# Altium PCB paste_3.3.PcbDoc (part 2 of 3)
Units mm, origin at the board's own origin, x right, y up, seen from the top; angles counter-clockwise.
Board outline 154.05 x 173.86 mm, 2 copper layers (Top Layer, Bottom Layer); 242 components, 0 nets, 1192 pads, 810 vias.
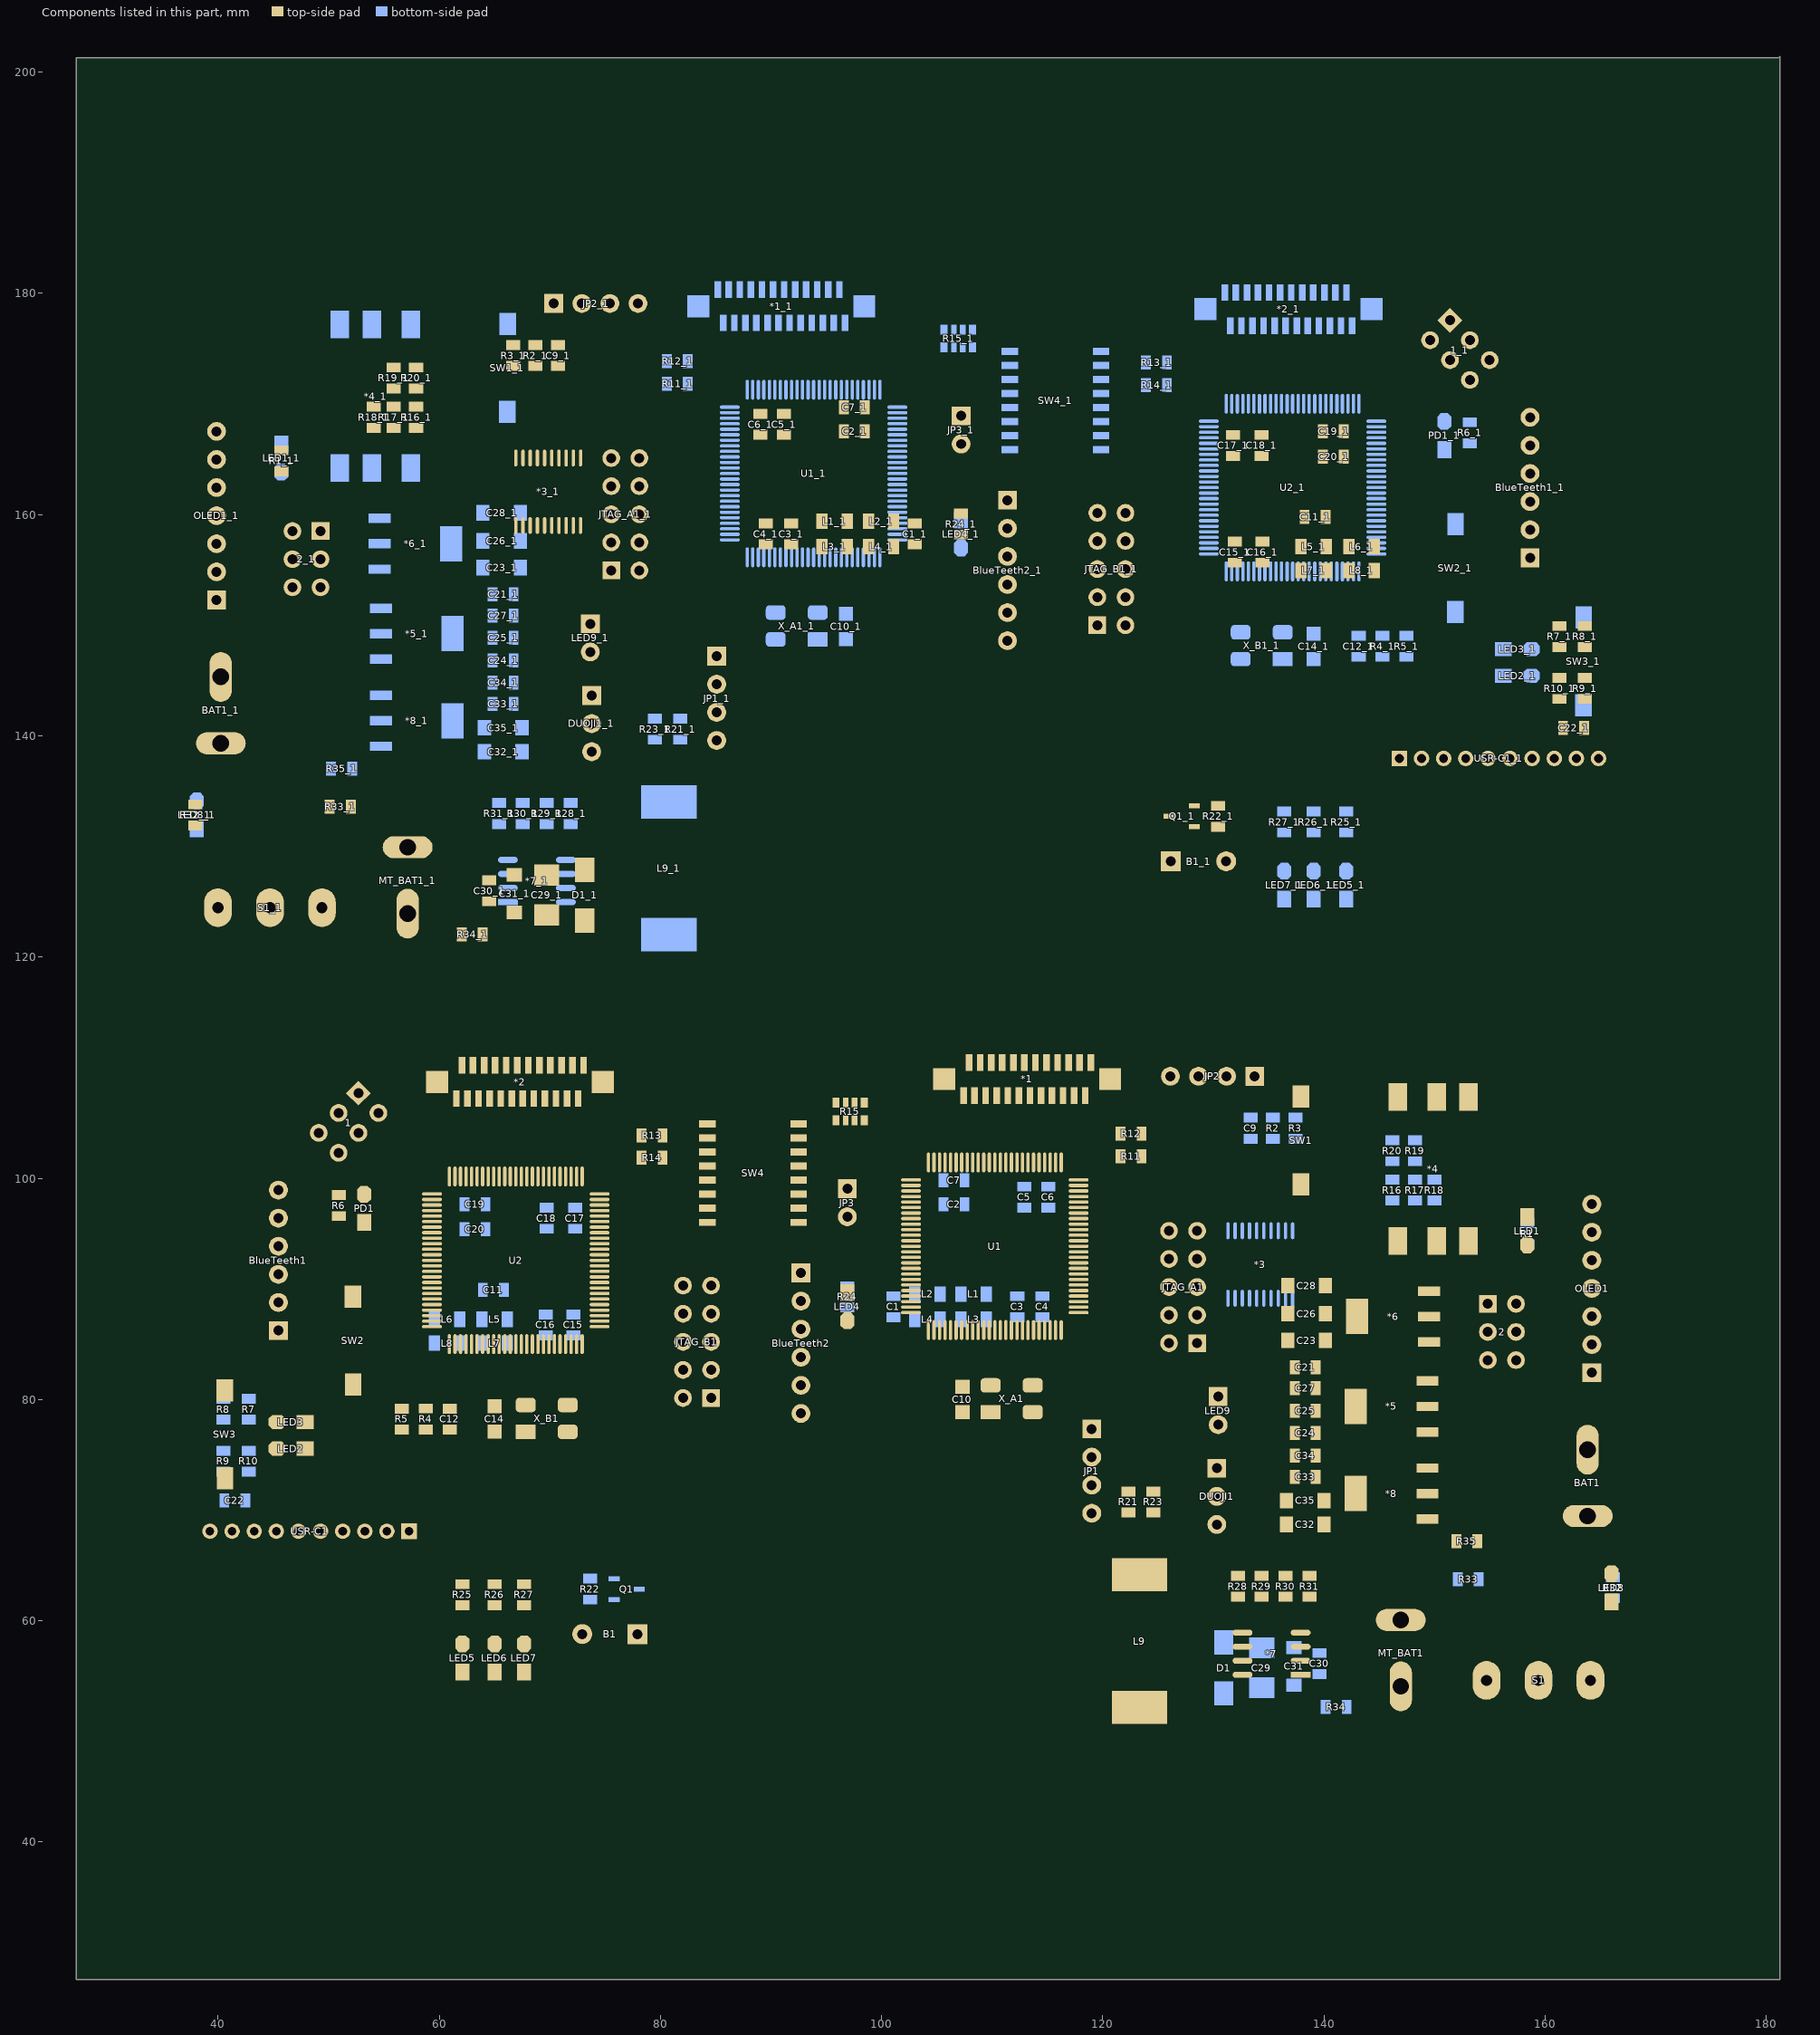
[diagram p2: the components of this part, seen from the top]

## Via types
v1: diameter 0.6, hole 0.3, Top Layer to Bottom Layer, tented both sides, 470 vias
v2: diameter 0.5, hole 0.3, Top Layer to Bottom Layer, tented both sides, 330 vias
v3: diameter 4.5, hole 4, Top Layer to Bottom Layer, tented both sides, 6 vias
v4: diameter 1.5, hole 1.3, Top Layer to Bottom Layer, tented both sides, 4 vias

## Nets (pads, with @x,y where several pads share a name; then routed paths per layer and width w, separated by ;. In a path a pad name is that pad's centre, name@x,y a point inside that pad or via, vN(x,y) a via of type N, cw(c..) or ccw(c..) an arc to the next point about the centre after c; other vN are vias at no path point) (continued)
copper on no net: | length 6708.3
  Top Layer w0.254: v2(38.735,81.28) 40.171,81.28 ; 39.878,157.353 44.45,161.925 v2(51.943,161.925) ; v2(51.435,166.751) 51.502,166.751 52.584,167.833 54.102,167.833 ; 52.197,89.281 52.197,85.786 58.801,79.182 60.96,79.182 62.55,79.182 v2(62.738,78.994) ; 52.217,81.348 54.383,79.182 56.642,79.182 ; v2(53.975,174.371) 55.057,173.289 55.88,173.289 ; v2(55.626,166.116) 55.88,166.37 55.88,167.833 ; v2(55.88,97.155) 56.808,98.083 59.354,98.083 ; v2(56.261,86.106) 56.261,86.868 56.476,87.083 59.354,87.083 63.207,87.083 v2(64.77,88.646) ; v2(56.642,175.133) 57.912,173.863 57.912,173.289 ; v2(56.769,98.806) 56.992,98.583 59.354,98.583 ; v2(56.896,96.52) 56.896,97.028 57.451,97.583 59.354,97.583 ; 57.912,167.833 59.055,166.69 v2(59.055,166.116) ; 62.103,63.307 62.103,66.548 v2(66.548,70.993) ; v2(62.103,167.767) 62.745,167.125 62.745,166.49 66.033,163.202 74.726,163.202 75.131,163.607 75.999,163.607 76.284,163.322 77.386,163.322 77.671,163.607 78.539,163.607 78.57,163.576 81.915,163.576 82.423,163.068 v2(82.55,163.068) ; v2(62.738,164.846) 66.802,160.782 73.322,160.782 75.131,158.973 76.993,158.973 v2(77.089,158.877) ; v2(63.119,168.656) 63.119,166.878 66.421,163.576 74.571,163.576 74.976,163.981 75.927,163.981 76.03,164.084 77.64,164.084 77.671,164.053 83.089,164.053 v2(83.566,163.576) ; v2(63.373,176.022) 65.974,173.421 66.675,173.421 ; v2(63.5,75.057) 63.516,75.041 75.422,75.041 77.597,77.216 77.597,86.79 77.304,87.083 ; v2(64.135,81.534) 64.135,81.602 64.929,82.396 64.929,85.007 ; 64.56,107.212 64.56,105.708 67.429,102.839 67.429,100.158 ; 65.024,63.307 65.024,66.802 v2(68.834,70.612) ; v2(65.151,81.915) 65.659,81.915 66.429,82.685 66.429,85.007 ; v2(65.405,80.899) 65.532,80.899 67.429,82.796 67.429,85.007 ; v2(65.426,83.551) 65.429,83.554 65.429,85.007 ; v2(65.532,82.931) 65.929,83.328 65.929,85.007 ; 66.56,107.212 66.575,107.197 66.575,105.918 69.458,103.035 69.458,100.187 69.429,100.158 ; 67.579,159.004 67.579,157.592 72.898,152.273 74.93,152.273 85.09,142.113 ; 67.691,57.912 67.691,61.407 ; 67.691,63.307 67.691,67.691 v2(70.739,70.739) ; v2(67.818,80.645) 67.818,81.534 69.929,83.645 69.929,85.007 ; v2(68.199,169.418) 68.199,170.881 70.739,173.421 70.607,173.421 68.707,175.321 ; 68.229,165.104 68.229,167.416 71.628,170.815 v2(85.09,170.815) ; 69.529,165.104 69.529,166.303 71.882,168.656 v2(84.582,168.656) ; v2(69.596,80.518) 69.596,82.042 70.429,82.875 70.429,85.007 ; v2(70.739,80.645) 70.739,82.042 70.929,82.232 70.929,85.007 ; 71.623,79.504 72.011,79.504 72.929,80.422 72.929,85.007 ; 72.938,58.801 74.168,58.801 v2(78.994,63.627) ; 74.504,87.083 77.304,87.083 ; 74.504,90.083 77.256,90.083 80.899,93.726 v2(99.441,93.726) ; 74.504,90.583 76.994,90.583 80.772,94.361 98.171,94.361 101.163,97.353 102.661,97.353 ; 78.105,154.94 78.105,153.416 79.375,152.146 92.456,152.146 v2(94.361,154.051) ; 78.105,156.591 81.915,152.781 v2(91.948,152.781) ; 78.105,160.02 79.756,158.369 79.756,156.083 82.55,153.289 92.456,153.289 v2(92.583,153.416) ; 78.105,162.56 79.248,162.56 81.153,160.655 81.153,155.829 83.301,153.681 91.451,153.681 92.456,154.686 95.123,154.686 95.377,154.432 v2(95.504,154.432) ; v2(80.01,166.878) 83.439,166.878 v2(84.074,166.243) ; v2(81.788,158.877) 81.788,160.274 83.217,161.703 v2(83.439,161.703) ; 82.042,90.297 80.518,90.297 77.304,87.083 ; v2(82.931,157.353) 82.931,160.147 v2(83.947,161.163) ; v2(84.455,154.178) 90.805,154.178 v2(91.059,154.432) ; v2(86.614,174.879) 86.614,174.244 88.773,172.085 94.323,172.085 95.105,172.867 95.105,172.956 v2(95.377,173.228) ; v2(88.519,173.228) 89.27,172.477 93.737,172.477 94.712,173.452 95.504,174.244 v2(96.012,174.244) ; 92.497,101.092 94.451,101.092 ; 92.497,102.362 v2(94.488,102.362) 94.921,102.362 97.555,104.996 ; 92.497,103.632 v2(94.742,103.632) 95.386,103.632 96.755,105.001 ; 92.497,104.902 v2(94.361,104.902) 95.532,104.902 ; 96.901,87.122 97.536,87.122 v2(98.679,85.979) ; 96.901,99.06 97.694,99.853 102.661,99.853 ; 96.901,157.099 98.806,157.099 99.441,157.099 v2(101.346,155.194) ; 96.901,159.385 98.806,159.385 98.806,159.131 v2(99.568,158.369) ; 98.435,105.076 94.451,101.092 ; v2(98.552,173.228) 100.076,174.752 v2(109.728,174.752) ; v2(99.695,88.011) 100.037,88.353 102.661,88.353 ; v2(100.076,97.663) 100.266,97.853 102.661,97.853 ; v2(100.203,98.933) 100.623,99.353 102.661,99.353 ; v2(100.203,173.482) v2(109.347,173.482) ; v2(100.711,172.847) 108.966,172.847 v2(109.601,172.212) ; 101.092,157.099 103.886,157.099 104.394,157.607 v2(104.394,157.861) ; 102.661,87.853 102.661,85.426 v2(102.743,85.344) ; 102.661,89.353 103.687,89.353 v2(104.521,88.519) ; v2(103.378,102.997) 104.267,102.997 104.736,102.528 104.736,101.428 ; v2(103.886,103.632) 104.473,103.632 105.236,102.869 105.236,101.428 ; v2(103.886,168.783) 105.41,167.259 105.41,161.859 107.188,160.081 ; v2(104.013,167.513) 104.648,166.878 v2(104.648,163.576) ; 104.236,101.428 103.429,102.235 97.917,102.235 96.774,101.092 94.451,101.092 ; v2(105.41,155.829) 105.41,156.403 107.188,158.181 ; v2(105.537,103.378) 105.736,103.179 105.736,101.428 ; v2(108.077,104.394) 108.077,102.899 108.712,102.264 108.712,101.452 ; 108.236,86.277 108.236,85.466 108.077,85.307 108.077,83.693 108.839,82.931 v2(112.141,82.931) ; v2(108.585,84.582) 108.736,84.733 108.736,86.277 ; v2(108.712,103.378) 109.236,102.854 109.236,101.428 ; 109.22,86.261 109.22,84.006 109.66,83.566 v2(111.506,83.566) ; v2(109.728,84.201) 109.728,86.269 ; 112.236,86.277 112.236,85.376 v2(113.03,84.582) ; v2(115.57,103.378) 115.57,103.251 116.407,104.088 116.407,105.335 ; 116.236,101.428 118.536,101.428 v2(118.999,100.965) ; 116.407,107.466 116.407,105.335 ; 117.407,107.466 117.407,105.859 ; v2(117.475,105.029) 117.407,105.097 117.407,105.859 ; 117.811,88.353 123.151,88.353 123.825,89.027 v2(127,89.027) ; 117.811,88.853 120.984,88.853 123.794,91.663 128.958,91.663 130.767,93.472 144.526,93.472 145.542,92.456 151.178,92.456 153.06,94.338 153.06,96.495 v2(152.654,96.901) ; 117.811,89.353 120.595,89.353 124.999,93.757 130.523,93.757 130.612,93.846 144.681,93.846 144.77,93.757 144.807,93.757 145.723,92.841 147.597,92.841 149.094,94.338 150.18,94.338 148.463,96.055 v2(148.463,96.266) ; 117.811,89.853 120.206,89.853 124.556,94.203 130.44,94.203 130.457,94.22 144.836,94.22 144.853,94.203 146.66,94.203 146.66,94.338 145.034,95.964 v2(145.034,96.266) ; 117.811,91.853 v2(120.65,91.853) ; 117.811,93.353 119.499,93.353 119.634,93.218 v2(121.539,93.218) ; 117.811,93.853 120.396,93.853 v2(120.523,93.726) ; 117.811,94.353 119.499,94.353 131.191,106.045 131.191,109.22 ; 117.811,94.853 119.364,94.853 128.651,104.14 128.651,109.22 ; 117.811,95.853 119.475,95.853 v2(120.015,96.393) ; 117.851,91.313 v2(120.142,91.313) ; 117.858,98.806 v2(119.507,98.806) ; v2(119.634,84.328) 119.761,84.328 130.302,73.787 ; v2(121.158,87.503) 118.491,84.836 118.491,83.058 122.301,79.248 122.301,71.689 124.587,71.689 ; 121.605,101.981 119.761,101.981 116.407,105.335 ; 121.605,104.013 119.253,104.013 117.407,105.859 ; 122.047,149.987 130.742,149.987 132.012,151.257 138.43,151.257 v2(138.938,151.765) ; 122.047,152.527 122.301,152.273 139.133,152.273 139.954,151.452 v2(139.954,151.384) ; 122.047,155.067 124.467,152.647 138.55,152.647 138.557,152.654 v2(138.557,152.781) ; 122.047,157.607 126.238,153.416 138.684,153.416 138.669,153.401 v2(138.663,153.401) ; v2(122.301,89.027) 124.563,91.289 129.113,91.289 130.915,93.091 144.378,93.091 145.387,92.082 152.139,92.082 v2(152.146,92.075) ; v2(124.079,97.028) 131.318,97.028 135.89,101.6 158.496,101.6 164.211,95.885 164.211,95.123 ; v2(125.095,133.477) 125.857,132.715 ; 125.984,95.25 127.381,96.647 135.128,96.647 137.922,99.441 137.922,98.425 v2(141.351,94.996) ; 128.27,131.765 130.429,131.765 ; 130.429,133.665 131.506,133.665 139.099,141.258 139.099,150.207 138.684,150.622 v2(138.684,150.749) ; 132.63,58.928 134.425,58.928 136.525,61.028 136.525,62.169 138.684,62.169 ; v2(133.35,140.589) v2(133.35,150.495) ; v2(134.493,150.368) 134.493,141.224 v2(135.255,140.462) ; v2(135.89,99.568) 137.795,99.568 ; v2(136.271,150.495) 136.271,142.113 v2(137.541,140.843) ; 137.902,107.374 139.104,106.172 v2(140.716,106.172) ; 138.242,159.766 138.242,159.573 v2(139.319,158.496) ; v2(140.589,144.907) 141.351,145.669 v2(141.351,148.844) ; v2(140.97,98.806) 141.224,98.806 142.875,100.457 158.496,100.457 163.114,95.839 163.114,94.669 164.211,93.572 164.211,92.583 ; v2(141.986,97.917) 144.082,100.013 157.543,100.013 162.433,95.123 162.433,91.821 164.211,90.043 ; 144.526,154.94 146.812,154.94 v2(147.828,155.956) ; 146.66,107.338 146.66,106.07 v2(147.447,105.283) ; v2(147.193,166.37) 147.193,159.893 152.812,154.274 152.812,137.947 ; v2(147.32,168.656) 147.701,168.275 147.701,161.544 154.812,154.433 154.812,137.947 ; v2(148.209,167.005) 148.59,166.624 148.59,161.925 156.812,153.703 156.812,137.947 ; v2(150.114,104.521) 150.18,104.587 150.18,107.338 ; 163.576,149.921 164.785,151.13 v2(165.354,151.13)
  Top Layer w0.3: v2(37.211,135.89) 37.211,134.554 37.973,133.792 ; 37.973,131.892 36.576,133.289 36.576,141.636 40.259,145.319 ; v2(39.497,71.12) 38.215,72.402 38.215,74.649 38.227,74.661 38.227,77.216 v2(38.862,77.851) 37.973,78.74 37.973,87.63 41.656,91.313 45.466,91.313 47.498,91.313 50.927,94.742 50.927,96.586 ; 39.878,152.273 37.084,155.067 37.084,165.989 38.608,167.513 39.878,167.513 41.595,165.796 45.72,165.796 ; v2(44.069,163.449) 45.273,163.449 45.72,163.896 ; 45.466,88.773 47.498,86.741 47.498,78.359 47.879,77.978 ; 47.879,75.565 47.879,77.978 ; v2(48.006,167.513) 50.226,169.733 54.102,169.733 55.88,169.733 ; 49.113,104.104 49.113,98.4 50.927,96.586 ; 50.909,102.308 54.501,105.9 62.212,105.9 62.56,106.248 62.56,107.212 ; 50.993,98.552 53.213,98.552 ; 53.213,96.012 56.142,93.083 59.354,93.083 ; 55.277,68.097 55.277,77.202 54.483,77.996 ; 55.88,171.389 55.88,169.733 ; v2(56.642,87.884) 56.896,87.63 59.306,87.63 ; 57.277,68.097 57.277,76.647 ; 57.912,171.389 57.912,169.733 55.88,169.733 ; v2(58.039,101.092) 58.039,102.235 58.801,102.997 62.611,102.997 63.429,102.179 63.429,100.158 ; 59.354,86.583 60.737,86.583 v2(60.96,86.36) ; 59.354,87.583 61.802,87.583 v2(62.865,88.646) ; 59.354,88.083 60.905,88.083 v2(61.341,88.519) ; 59.354,95.083 60.666,95.083 v2(60.96,95.377) ; v2(60.833,161.544) 60.706,161.671 60.706,170.18 61.595,171.069 ; 61.153,77.089 65.024,77.089 66.675,75.438 69.977,75.438 71.621,77.082 ; v2(61.468,101.981) 61.595,101.854 62.357,101.854 62.929,101.282 62.929,100.158 ; 62.103,55.372 65.024,55.372 67.691,55.372 74.509,55.372 77.938,58.801 ; v2(62.484,94.107) 61.214,94.107 60.738,94.583 59.354,94.583 57.182,94.583 54.721,97.044 52.466,97.044 52.008,96.586 50.927,96.586 ; v2(62.738,158.623) 63.119,159.004 66.929,159.004 66.929,159.639 67.437,160.147 68.326,160.147 ; v2(63.246,98.044) 63.373,98.171 65.659,98.171 ; 63.56,107.212 63.56,104.334 63.929,103.965 63.929,100.158 ; v2(63.754,146.431) 63.881,146.558 v2(68.072,146.558) ; v2(64.135,104.775) 64.429,104.481 64.429,100.158 ; 64.135,110.287 v2(64.135,112.141) ; 65.024,110.248 v2(65.024,112.141) ; 65.429,100.158 65.429,103.275 v2(65.786,103.632) ; v2(65.532,155.321) 64.147,153.936 63.031,153.936 61.468,152.373 v2(61.468,152.273) 60.198,153.543 60.198,176.149 63.119,179.07 70.358,179.07 ; 65.56,107.212 65.56,105.636 66.04,105.156 66.321,105.156 66.333,105.168 66.763,105.168 68.429,103.502 68.429,100.158 ; 65.929,100.158 65.929,102.251 v2(66.167,102.489) ; v2(66.04,112.014) 66.06,111.994 66.06,110.212 ; 66.429,100.158 66.409,100.158 66.409,98.921 65.659,98.171 ; v2(66.548,104.648) 67.929,103.267 67.929,100.158 ; 66.675,175.321 67.63,176.276 69.784,176.276 70.739,175.321 ; v2(66.929,94.234) 66.929,96.901 ; v2(66.929,98.425) 66.929,100.158 ; 66.929,165.104 66.929,165.735 61.595,171.069 ; v2(67.056,112.014) 67.056,110.216 67.06,110.212 ; 67.56,107.212 67.56,105.668 68.199,105.029 69.088,105.029 70.429,103.688 70.429,100.158 ; 67.694,79.375 65.024,79.375 63.645,77.996 60.213,77.996 59.499,77.282 58.801,77.282 58.087,77.996 54.483,77.996 ; v2(67.945,86.614) 67.945,85.023 67.929,85.007 67.929,82.407 66.802,81.28 66.802,80.525 67.823,79.504 68.968,78.359 v2(72.644,78.359) ; 68.06,110.212 68.072,110.224 v2(68.072,112.014) ; 68.229,159.004 68.229,160.05 68.326,160.147 ; 68.429,85.007 68.429,86.209 v2(68.961,86.741) 68.961,88.011 v2(72.136,91.186) 72.239,91.083 74.504,91.083 ; 68.707,173.421 67.244,171.958 62.484,171.958 61.595,171.069 ; 68.879,159.004 68.879,157.308 73.406,152.781 76.835,152.781 85.09,144.526 ; 68.879,165.104 68.879,164.216 68.735,164.072 ; 68.929,100.158 68.929,102.584 v2(68.961,102.616) ; v2(69.342,103.886) 69.929,103.299 69.929,100.158 ; 70.56,107.212 70.56,105.208 v2(70.739,105.029) ; 70.929,100.158 70.929,102.298 v2(70.993,102.362) ; 71.56,107.212 71.56,103.446 v2(73.152,101.854) 78.298,101.854 ; 71.623,77.082 71.87,76.835 v2(73.66,76.835) 73.66,85.852 v2(73.025,86.487) 72.429,85.891 72.429,85.007 ; 71.929,85.007 71.929,86.28 v2(72.644,86.995) ; v2(72.644,96.393) 72.644,97.409 73.318,98.083 74.504,98.083 78.828,98.083 79.502,97.409 v2(80.264,97.409) ; 72.779,165.104 72.129,165.104 71.479,165.104 70.829,165.104 70.179,165.104 70.179,164.159 70.092,164.072 68.735,164.072 ; v2(72.898,98.552) 72.929,98.583 74.504,98.583 80.676,98.583 83.185,101.092 84.242,101.092 84.242,102.362 84.242,103.632 84.242,104.902 ; v2(73.914,158.496) 73.406,159.004 72.779,159.004 72.129,159.004 71.479,159.004 70.829,159.004 70.179,159.004 69.529,159.004 69.529,159.817 69.199,160.147 68.326,160.147 ; v2(74.422,102.489) 75.819,103.886 78.298,103.886 ; 74.504,91.583 72.628,91.583 71.501,92.71 71.501,95.631 v2(70.739,96.393) 70.358,96.774 67.056,96.774 66.929,96.901 ; v2(76.454,168.021) 77.724,168.021 81.295,164.45 83.427,164.45 84.467,163.41 84.467,160.77 v2(84.582,160.655) ; 76.769,141.539 77.089,141.539 ; 77.978,179.07 74.229,175.321 70.739,175.321 ; 78.105,156.591 78.105,157.48 ; 80.198,103.886 80.198,101.854 80.391,101.661 v2(80.391,100.457) ; v2(83.058,155.448) 83.808,154.698 84.67,154.698 84.682,154.686 v2(88.773,154.686) ; 84.582,82.677 84.582,85.217 91.567,85.217 92.71,86.36 100.203,78.867 107.315,78.867 107.315,78.359 108.712,76.962 111.762,76.962 113.66,78.86 117.482,78.86 118.999,77.343 ; v2(87.884,167.64) 88.326,167.198 89.027,167.198 89.027,163.449 v2(89.789,162.687) ; v2(88.265,168.402) 88.331,168.402 89.027,169.098 91.186,169.098 90.043,167.955 v2(90.043,165.227) ; v2(89.662,158.369) 89.535,158.242 89.535,157.292 91.821,157.292 92.522,157.292 v2(92.964,157.734) ; v2(89.662,173.482) 89.662,181.102 v2(90.297,181.737) ; v2(91.059,175.133) v2(91.059,181.864) ; v2(91.694,172.974) 91.694,181.356 v2(92.075,181.737) ; v2(92.075,158.369) 91.821,158.623 91.821,159.192 ; 92.71,88.9 96.139,88.9 96.901,89.662 ; v2(92.837,174.244) 92.837,181.61 v1(93.091,181.864) ; v2(93.472,160.528) 94.615,159.385 ; 94.615,157.099 92.522,159.192 91.821,159.192 ; v2(94.615,174.879) 95.504,175.768 v2(96.139,175.768) ; v2(94.615,181.61) 96.774,179.451 v2(96.774,173.482) ; 96.332,169.418 v2(94.361,169.418) 92.141,167.198 91.186,167.198 91.186,164.084 v2(89.789,162.687) ; 96.586,169.672 96.586,167.513 96.586,166.939 v2(97.79,165.735) ; v2(96.901,154.305) 97.536,153.67 111.379,153.67 ; v2(97.536,169.672) 98.486,169.672 98.486,167.513 98.486,166.436 98.667,166.255 v2(98.679,166.255) ; v2(98.425,152.527) 99.822,151.13 111.379,151.13 ; 98.435,106.845 97.555,106.845 96.755,106.845 95.875,106.845 95.875,110.607 97.536,112.268 108.077,112.268 ; v2(99.441,89.154) 99.742,88.853 102.661,88.853 ; 101.092,159.385 104.267,159.385 v2(104.648,159.004) ; 102.661,95.853 103.918,95.853 104.14,95.631 106.045,95.631 v2(106.299,95.885) ; v2(105.664,82.677) 106.668,83.681 106.668,86.209 106.736,86.277 ; v2(106.553,99.822) 106.807,99.568 108.966,99.568 109.736,100.338 109.736,101.428 109.736,104.767 v2(109.474,105.029) ; v2(107.188,84.455) 107.236,84.503 107.236,86.277 ; 107.236,101.428 107.236,102.272 106.553,102.955 106.553,103.632 109.407,106.486 109.407,107.466 ; v2(107.315,103.632) 107.522,103.632 107.68,103.474 107.68,101.484 107.736,101.428 ; v2(107.95,105.918) 108.407,106.375 108.407,107.466 ; 108.907,110.466 108.907,111.438 108.077,112.268 ; v2(109.474,111.76) 109.907,111.327 109.907,110.466 ; v2(109.728,99.568) 110.236,100.076 110.236,101.428 ; 109.731,81.153 107.315,81.153 105.41,81.153 96.901,89.662 ; 110.407,107.466 110.407,104.223 110.736,103.894 110.736,101.428 ; 110.998,110.557 v1(110.998,112.014) ; 111.236,101.428 111.236,104.378 v2(111.252,104.394) ; 111.252,86.293 111.252,87.757 v2(111.125,87.884) 110.617,88.392 v2(110.617,90.678) 110.617,91.948 v2(114.046,95.377) ; 111.379,158.75 111.379,158.115 119.507,149.987 ; 111.407,107.466 111.407,106.144 111.887,105.664 111.887,103.759 111.736,103.608 111.736,101.428 ; 111.76,86.325 111.76,88.265 v2(112.014,88.519) ; 112.014,110.573 v2(112.014,111.887) ; 112.236,101.428 112.236,102.965 v2(112.395,103.124) ; 112.407,107.466 112.407,104.763 112.896,104.274 112.896,103.358 112.915,103.339 112.915,102.909 112.736,102.73 112.736,101.428 ; v2(113.03,105.283) 113.03,105.029 113.316,104.743 113.316,103.532 113.335,103.513 113.335,102.735 113.236,102.636 113.236,101.428 ; 113.03,110.589 v2(113.03,112.014) ; 113.407,107.466 113.407,105.922 113.736,105.593 113.736,103.706 113.755,103.687 113.755,102.561 113.736,102.542 113.736,101.428 ; 113.66,81.282 116.236,83.858 116.236,86.277 ; v2(113.792,111.887) 113.792,110.581 113.907,110.466 ; 114.236,101.428 114.236,103.441 v2(114.427,103.632) ; v2(114.3,92.837) 114.808,92.329 117.788,92.329 117.811,92.353 ; v2(114.427,88.519) 115.236,87.71 115.236,86.277 115.236,84.916 v2(115.316,84.836) ; v2(115.189,90.678) 115.736,90.131 115.736,86.277 ; v2(115.824,98.552) 115.824,99.314 116.363,99.853 117.811,99.853 ; v2(116.205,97.79) 116.459,98.044 116.459,98.933 116.879,99.353 117.811,99.353 120.877,99.353 123.505,101.981 123.505,104.013 126.111,106.619 126.111,109.22 ; 117.811,90.853 119.459,90.853 v2(119.507,90.805) ; 117.811,92.853 115.3,92.853 114.046,94.107 v2(114.046,95.377) ; 117.879,90.285 119.849,90.285 122.809,93.245 122.809,96.493 123.967,97.651 127.85,97.651 134.72,104.521 v2(150.114,104.521) ; 119.507,155.067 116.713,157.861 116.713,160.147 v2(123.825,167.259) 123.698,167.386 v2(123.698,170.307) ; v2(121.031,85.598) 121.593,86.16 126.427,86.16 127.497,85.09 128.524,85.09 ; 122.301,69.789 126.05,66.04 132.207,66.04 ; 126.151,128.651 121.539,133.263 121.539,147.955 119.507,149.987 ; v2(127.635,98.171) 134.747,105.283 v2(147.447,105.283) ; 128.27,133.665 128.27,144.526 v2(130.429,146.685) ; 128.524,87.63 128.524,90.17 128.651,90.17 v2(130.175,88.646) ; v2(129.667,172.339) 130.81,172.339 ; v2(130.937,171.704) 132.275,171.704 132.707,171.272 136.855,171.272 v2(137.922,172.339) ; v2(131.064,156.337) 131.76,155.641 131.953,155.641 134.442,155.641 134.442,155.905 v2(135.128,156.591) 136.779,154.94 137.922,154.94 ; v2(131.191,168.402) 131.775,167.818 131.775,167.193 134.173,167.193 ; v2(131.445,148.209) 130.737,148.917 120.958,148.917 119.888,149.987 119.507,149.987 ; v2(131.445,156.845) 131.445,157.033 131.953,157.541 134.442,157.541 ; v2(131.445,166.243) 131.775,165.913 131.775,165.293 134.366,165.293 134.366,163.449 v2(131.953,161.036) ; v2(133.096,172.212) 133.096,172.974 136.017,175.895 v2(136.017,181.864) ; v2(133.35,166.243) 133.35,166.37 134.173,167.193 ; v2(133.35,174.879) 130.81,172.339 ; 134.366,167.193 134.173,167.193 ; 134.432,165.227 139.893,165.227 ; v2(134.747,173.736) 137.033,176.022 v2(137.033,181.864) ; v2(135.128,172.466) 135.128,172.847 138.049,175.768 v2(138.049,181.864) ; v2(136.017,76.708) 134.735,77.99 134.735,83.349 136.73,85.344 ; 136.73,87.757 138.557,85.93 v2(138.557,85.471) ; 136.73,90.297 138.684,90.297 139.192,89.789 139.192,84.709 137.414,82.931 137.353,82.931 139.253,81.031 139.253,81.026 ; v2(137.16,164.084) 134.442,161.366 134.442,157.541 ; v2(137.16,168.275) 137.16,168.148 137.795,167.513 139.893,167.513 139.893,165.227 ; v2(137.541,174.498) 139.065,176.022 v2(139.065,181.991) ; 137.922,157.099 136.779,157.099 v2(136.144,156.464) 135.067,157.541 134.442,157.541 ; v2(138.303,173.482) 137.16,172.339 135.736,172.339 135.089,171.692 132.881,171.692 132.234,172.339 130.81,172.339 ; 139.253,76.962 139.954,76.962 ; v2(139.954,174.625) v2(139.954,181.991) ; 140.142,159.578 v2(141.224,158.496) ; 140.208,154.94 142.24,154.94 143.129,155.829 v2(143.129,156.21) ; 140.208,157.099 142.24,157.099 142.24,157.861 v2(142.748,158.369) ; v2(140.335,76.581) 139.954,76.962 ; v2(140.843,167.894) 141.224,167.513 141.793,167.513 141.793,165.227 v2(143.129,165.227) ; v2(141.351,88.773) 141.732,88.773 143.002,87.503 ; v2(141.605,163.957) 141.163,163.957 139.893,165.227 ; 142.565,91.003 v2(143.256,91.694) ; v2(142.621,171.831) 148.717,171.831 154.305,166.243 158.623,166.243 ; 144.526,157.099 146.812,157.099 v2(147.447,157.734) ; v2(146.05,170.942) 147.447,170.942 154.686,163.703 158.623,163.703 ; 149.239,76.962 139.954,76.962 ; 149.479,89.803 151.144,89.803 151.257,89.916 ; 153.18,172.158 158.169,172.158 162.433,167.894 162.433,162.433 158.623,158.623 158.623,158.496 161.29,155.829 161.29,149.921 ; 154.685,54.61 156.735,54.61 158.755,56.63 161.024,56.63 165.989,61.595 ; v2(156.083,97.663) 157.226,97.663 158.369,96.52 157.861,96.52 151.257,89.916 ; 158.369,93.98 159.639,93.98 v2(160.02,93.599) ; 163.51,140.716 164.338,140.716 v2(164.592,140.97) ; 163.576,148.021 164.907,148.021 v2(165.227,147.701) ; 164.211,84.963 159.258,89.916 151.257,89.916 ; 164.211,97.663 154.536,107.338 153.06,107.338 148.257,112.141 129.032,112.141 126.111,109.22 ; 165.989,64.262 165.989,65.151 v2(166.878,66.04) ; 47.879,77.978 47.897,77.996 54.483,77.996 ; 65.659,98.171 66.929,96.901 ; 68.735,164.072 67.606,164.072 67.579,164.099 67.579,165.104 67.579,167.909 71.882,172.212 71.882,174.178 70.739,175.321 ; v2(89.789,162.687) 88.9,161.798 v2(88.9,160.528) 88.9,159.827 89.535,159.192 91.821,159.192 ; 96.901,89.662 100.584,93.345 100.584,96.012 100.925,96.353 102.661,96.353 104.942,96.353 104.994,96.405 v2(105.41,96.405) 111.367,96.405 112.395,95.377 v2(114.046,95.377) ; 108.077,112.268 108.393,112.584 122.747,112.584 126.111,109.22
  Top Layer w0.381: v2(38.735,74.422) 44.196,74.422 45.339,75.565 ; 39.277,68.097 42.799,71.619 v2(42.799,72.136) ; 40.64,72.898 43.434,72.898 ; v2(43.688,76.835) 44.831,77.978 45.339,77.978 ; v2(44.577,71.501) 44.577,71.755 43.434,72.898 ; 53.277,68.097 48.476,72.898 43.434,72.898 ; v2(160.401,146.685) 161.29,145.796 161.29,145.222 ; v2(161.29,141.986) 161.29,143.322 ; 161.29,148.021 158.689,148.021 157.861,147.193 157.861,143.002 v2(159.512,141.351) 160.147,140.716 161.61,140.716 ; 162.812,137.947 165.227,140.362 165.227,141.671 163.576,143.322 ; 163.576,145.222 164.404,145.222 v2(165.354,144.272)
  Top Layer w0.4: v2(62.738,127.508) 63.312,126.934 64.516,126.934 ; 137.88,57.658 v2(141.351,57.658)
  Top Layer w0.5: 39.878,152.273 39.878,152.246 48.106,152.246 49.276,153.416 ; 49.113,104.104 50.909,105.9 52.705,107.696 56.769,111.76 62.484,111.76 63.06,111.184 63.06,110.212 ; 56.642,77.282 57.277,76.647 58.105,75.819 59.883,75.819 61.153,77.089 ; v2(58.547,147.447) 67.437,147.447 v2(68.834,148.844) ; v2(63.246,153.416) 66.548,153.416 v2(68.072,151.892) ; 64.196,124.714 v2(63.119,124.714) 61.341,126.492 61.341,131.826 v2(63.373,133.858) 68.072,138.557 73.787,138.557 ; 66.802,127.43 68.072,128.7 v2(68.072,129.667) ; v2(97.79,165.735) 97.89,165.635 100.357,165.635 101.028,166.306 101.028,168.084 102.489,169.545 104.013,169.545 107.188,166.37 109.093,164.465 109.093,157.607 110.49,156.21 111.379,156.21 ; 118.999,77.343 120.396,75.946 120.396,71.991 121.513,70.874 123.502,70.874 124.587,69.789 129.22,69.789 130.302,68.707 ; 123.317,64.166 125.314,62.169 ; 130.429,77.724 133.223,77.724 136.017,74.93 137.353,74.93 139.253,73.03 ; 132.63,56.388 130.429,56.388 125.314,61.503 125.314,62.169 ; 132.63,57.658 135.382,57.658 136.017,58.293 v2(136.017,59.817) 146.685,59.817 ; 134.366,64.069 132.466,62.169 132.207,62.169 125.314,62.169 ; v2(135.255,78.994) 137.353,78.994 ; v2(136.017,82.042) 137.033,81.026 137.353,81.026 137.353,78.994 ; 136.398,70.866 136.603,70.866 ; 136.603,68.707 138.303,70.407 138.303,72.075 137.353,73.025 ; 137.353,76.962 137.353,78.994 ; 137.88,56.388 139.446,56.388 v2(140.97,54.864) 142.24,56.134 142.24,58.166 141.478,58.928 137.88,58.928 ; 138.684,64.069 140.655,64.069 v2(140.716,64.008) ; 139.253,82.931 140.13,83.808 140.13,84.279 ; 140.13,90.297 140.13,87.757 140.13,85.344 140.13,84.279 ; v2(140.843,83.566) 140.13,84.279 ; v2(145.542,77.597) 147.066,79.121
  Top Layer w0.508: 62.103,57.912 62.103,61.407 ; 65.024,57.912 65.024,61.407 ; v2(68.199,135.636) 70.612,135.636 73.152,133.096 ; 70.209,127.889 73.152,127.889 73.152,133.096 ; v2(73.279,121.539) 73.279,123.162 ; v2(75.057,129.794) 75.946,128.905 75.946,126.111 v2(75.184,125.349) ; 85.09,139.573 78.613,133.096 73.152,133.096 ; 123.317,52.166 130.333,52.166 v2(130.81,51.689) 134.239,55.118 137.88,55.118 ; v2(128.905,55.499) 129.286,55.118 132.63,55.118 ; v2(129.032,59.944) 131.826,59.944 134.051,62.169 134.366,62.169 ; v2(135.89,65.786) 136.525,65.151 136.525,64.069
  Top Layer w0.6: v2(61.468,152.273) 63.627,150.114 73.66,150.114 ; 139.253,78.994 v2@142.652,82.392 ; v2@142.682,82.423 148.858,82.423 149.479,81.802
  Top Layer w1: 49.404,124.46 54.865,129.921 ; v1(54.229,141.351) 56.261,141.351 58.293,139.319 58.293,133.268 60.02,131.541 60.02,129.25 57.15,126.38 57.15,123.921 ; v2(58.166,143.651) 58.166,143.383 60.452,141.097 73.787,141.097 ; 64.516,125.034 65.52,124.03 66.802,124.03 ; 67.029,123.803 69.723,123.803 ; 128.524,85.09 133.731,90.297 136.73,90.297 138.635,92.202 141.097,92.202 143.496,89.803 149.479,89.803 ; 130.302,71.247 136.017,71.247 136.398,70.866 ; 132.207,64.069 132.207,66.04 132.969,66.802 134.698,66.802 136.603,68.707 138.254,67.056 147.207,67.056 149.352,69.201 151.116,69.201 152.4,70.485 152.4,74.676 150.001,77.075 149.352,77.075 ; 139.253,73.025 141.351,73.025 142.875,71.501 ; 139.253,74.93 141.478,74.93 142.607,73.801 149.352,73.801 ; 140.003,68.707 140.003,70.866 140.638,71.501 142.875,71.501 ; 140.384,87.503 143.002,87.503 149.479,87.503 153.67,87.503 154.813,88.646 154.813,86.106 154.813,83.566 ; 142.875,79.375 149.352,79.375 ; 146.939,60.071 146.939,66.788 ; v1@149.352,71.501 142.875,71.501 ; 149.352,81.675 155.462,81.675 157.353,83.566 157.353,86.106 157.353,88.646 ; 149.479,81.802 149.479,85.203 ; 163.83,75.469 163.83,82.042
  Top Layer w2: 40.259,139.319 43.346,136.232 43.346,132.09 44.704,130.732 44.704,124.46
  Bottom Layer w0.254: v2(38.735,81.28) 39.304,81.28 40.513,80.071 ; 39.878,159.893 41.656,161.671 41.656,164.973 46.545,169.862 60.008,169.862 v2(62.103,167.767) ; 39.878,162.433 39.878,163.422 40.975,164.519 40.975,165.689 45.593,170.307 61.214,170.307 62.865,168.656 v2(63.119,168.656) ; 39.878,164.973 39.878,165.735 45.593,171.45 68.199,171.45 72.771,166.878 v2(80.01,166.878) ; 47.277,68.097 47.277,83.853 55.499,92.075 55.499,96.774 v2(55.88,97.155) ; 49.277,68.097 49.277,84.583 56.388,91.694 56.388,98.425 v2(56.769,98.806) ; 51.277,68.097 51.277,84.424 56.896,90.043 v2(56.896,96.52) ; v2(51.435,166.751) 51.029,166.345 51.029,164.188 52.911,162.306 58.547,162.306 59.563,163.322 73.322,163.322 75.131,161.513 80.295,161.513 83.105,158.703 86.278,158.703 ; v2(51.943,161.925) 51.95,161.932 58.702,161.932 59.711,162.941 73.174,162.941 74.976,161.139 79.526,161.139 v2(81.788,158.877) ; 53.909,177.188 53.909,174.437 v2(53.975,174.371) ; v2(55.626,166.116) 55.626,165.905 53.909,164.188 54.995,164.188 56.492,162.691 58.366,162.691 59.282,163.607 59.319,163.607 59.408,163.696 73.477,163.696 73.566,163.607 79.09,163.607 83.494,159.203 86.278,159.203 ; v2(56.261,86.106) 57.277,85.09 59.563,85.09 ; v2(56.642,175.133) 57.429,175.92 57.429,177.188 ; v2(59.055,166.116) 59.055,165.814 57.429,164.188 57.429,164.053 59.236,164.053 59.253,164.07 73.632,164.07 73.649,164.053 79.533,164.053 83.883,159.703 86.278,159.703 ; v2(62.738,78.994) 62.738,75.819 v2(63.5,75.057) ; v2(62.738,164.846) 66.167,168.275 66.167,169.291 68.961,166.497 76.708,166.497 78.105,165.1 ; v2(63.373,176.022) 64.985,176.022 66.187,177.224 ; v2(64.135,81.534) 64.135,81.602 64.956,82.423 81.788,82.423 82.042,82.677 ; v2(64.77,88.646) 65.847,89.723 65.847,89.916 ; v2(65.151,81.915) 65.659,81.407 72.077,81.407 73.347,80.137 82.042,80.137 ; v2(65.405,80.899) 65.405,80.772 64.99,80.357 64.99,71.408 72.583,63.815 73.66,63.815 ; 65.405,132.019 67.564,132.019 67.564,130.878 69.664,128.778 71.459,128.778 ; v2(65.426,83.551) 65.42,83.551 65.405,83.566 77.851,83.566 82.042,87.757 ; v2(65.532,82.931) 65.532,82.804 65.539,82.797 79.622,82.797 82.042,85.217 ; 66.294,169.418 v2(68.199,169.418) ; v2(66.548,70.993) 67.818,72.263 v2(67.818,80.645) ; v2(68.834,70.612) 69.596,71.374 v2(69.596,80.518) ; v2(70.739,70.739) v2(70.739,80.645) ; 72.898,179.07 72.898,175.895 84.59,164.203 86.278,164.203 ; 73.66,61.915 75.819,61.915 ; 73.787,143.637 84.328,154.178 v2(84.455,154.178) ; 75.438,179.07 75.438,173.99 84.725,164.703 86.278,164.703 ; v2(77.089,158.877) 80.264,158.877 80.938,158.203 86.278,158.203 ; 78.232,62.865 v2(78.994,63.627) ; 79.502,141.539 81.788,141.539 81.788,149.098 85.598,152.908 85.598,154.686 v2(82.931,157.353) ; 82.484,171.831 84.328,171.831 87.682,175.185 ; 82.484,173.863 84.836,173.863 86.682,175.709 ; v2(82.55,163.068) 84.455,163.068 84.59,163.203 86.278,163.203 ; v2(83.439,161.703) 86.278,161.703 ; v2(83.566,163.576) 83.693,163.703 86.278,163.703 ; v2(83.947,161.163) 86.238,161.163 ; v2(84.074,166.243) 84.614,165.703 86.278,165.703 ; v2(84.582,168.656) 86.231,168.656 ; v2(85.09,170.815) 85.553,171.278 87.853,171.278 ; v2(86.614,174.879) 86.682,174.947 86.682,175.709 ; 86.682,177.316 86.682,175.709 ; 87.682,177.316 87.682,175.185 ; v2(88.519,173.228) 88.519,173.101 87.682,173.938 87.682,175.185 ; v2(91.059,154.432) 91.853,155.226 91.853,156.127 ; v2(91.948,152.781) 95.25,152.781 96.012,153.543 96.012,155.157 95.853,155.316 95.853,156.127 ; v2(92.583,153.416) 94.429,153.416 94.869,153.856 94.869,156.111 ; v2(94.361,104.902) 104.013,104.902 v2(105.537,103.378) ; v2(94.361,154.051) 94.361,156.119 ; v2(94.488,102.362) 95.123,102.997 v2(103.378,102.997) ; v2(94.742,103.632) v2(103.886,103.632) ; 94.853,171.278 94.853,172.704 v2(95.377,173.228) ; 95.353,156.127 95.353,154.583 v2(95.504,154.432) ; 95.377,171.302 95.377,172.114 96.012,172.749 v2(96.012,174.244) ; 96.901,88.331 98.679,86.553 v2(98.679,85.979) ; 96.901,90.231 98.679,92.009 98.679,97.409 v2(100.203,98.933) ; 98.353,171.278 98.353,173.029 v2(98.552,173.228) ; 98.853,171.278 98.853,172.719 99.616,173.482 v2(100.203,173.482) ; 99.353,171.278 99.353,172.378 99.822,172.847 v2(100.711,172.847) ; v2(99.441,93.726) 99.441,97.028 v2(100.076,97.663) ; v2(99.568,158.369) 100.402,159.203 101.428,159.203 ; v2(99.695,88.011) 99.695,87.757 100.203,87.249 102.997,87.249 ; 99.853,171.278 100.66,172.085 106.172,172.085 107.315,170.942 109.638,170.942 ; v2(101.346,155.194) 101.428,155.276 101.428,157.703 ; 101.428,158.203 104.052,158.203 v2(104.394,157.861) ; 101.428,167.203 102.926,167.203 105.918,164.211 123.317,164.211 127.095,160.433 129.585,160.433 ; 101.428,167.703 103.823,167.703 v2(104.013,167.513) ; 101.428,169.203 103.466,169.203 v2(103.886,168.783) ; 101.428,169.703 106.395,169.703 107.188,168.91 ; v2(102.743,85.344) 104.648,87.249 105.283,87.249 107.188,87.249 ; v2(104.521,88.519) 105.283,89.281 105.283,89.535 107.188,89.535 ; v2(104.648,163.576) 123.19,163.576 126.833,159.933 129.585,159.933 ; v2(105.41,155.829) 106.553,156.972 107.188,156.972 ; 105.654,174.926 109.638,170.942 ; 106.534,174.846 109.168,172.212 v2(109.601,172.212) 111.592,172.212 ; 107.334,174.851 108.703,173.482 v2(109.347,173.482) 111.592,173.482 ; v2(108.077,104.394) 108.585,104.394 109.377,103.602 110.352,102.627 114.819,102.627 v2(115.57,103.378) ; 108.557,174.752 v2(109.728,174.752) 111.592,174.752 ; v2(108.585,84.582) 108.712,84.582 108.966,84.836 111.633,84.836 112.638,83.831 120.788,83.831 122.936,85.979 122.936,90.805 124.841,92.71 125.984,92.71 ; v2(108.712,103.378) 108.984,103.106 108.984,103.017 109.766,102.235 115.316,102.235 117.475,104.394 v2(117.475,105.029) ; v2(109.728,84.201) 111.633,82.296 124.714,82.296 125.984,83.566 125.984,85.09 ; v2(111.506,83.566) 111.633,83.439 121.539,83.439 124.333,86.233 124.333,88.519 125.984,90.17 ; 111.592,170.942 109.638,170.942 ; v2(112.141,82.931) 122.174,82.931 125.984,86.741 ; v2(113.03,84.582) 113.284,84.328 v2(119.634,84.328) ; 118.999,72.263 129.159,82.423 131.191,82.423 136.51,87.742 136.51,89.154 ; v2(118.999,100.965) 132.461,100.965 135.86,97.566 135.86,95.254 ; v2(119.507,98.806) 132.207,98.806 134.56,96.453 134.56,95.254 ; v2(120.015,96.393) 120.65,97.028 v2(124.079,97.028) ; v2(120.142,91.313) 121.158,90.297 v2(121.158,87.503) ; v2(120.523,93.726) 121,94.203 126.418,94.203 126.449,94.234 128.059,94.234 128.162,94.131 129.113,94.131 129.518,93.726 137.668,93.726 140.97,97.028 v2(140.97,98.806) ; v2(120.65,91.853) 120.872,91.853 122.301,90.424 v2(122.301,89.027) ; v2(121.539,93.218) 121.666,93.218 122.174,93.726 125.519,93.726 125.55,93.757 126.418,93.757 126.703,93.472 127.805,93.472 128.09,93.757 128.958,93.757 129.363,93.352 138.056,93.352 141.344,96.64 141.344,97.275 v2(141.986,97.917) ; 122.047,160.147 123.571,160.147 126.785,156.933 ; v2(125.095,133.477) 129.921,128.651 131.151,128.651 ; v2(127,89.027) 127.096,89.123 128.958,89.123 130.767,90.932 137.287,90.932 v2(141.351,94.996) ; 129.585,156.933 126.785,156.933 ; 131.16,154.857 131.16,150.272 132.078,149.354 132.466,149.354 ; 133.16,154.857 133.16,152.082 133.35,151.892 v2(133.35,150.495) ; v2(133.35,140.589) 136.398,137.541 136.398,133.157 ; 133.66,154.857 133.66,152.725 134.493,151.892 v2(134.493,150.368) ; 134.16,154.857 134.16,153.495 136.271,151.384 v2(136.271,150.495) ; 134.66,170.008 134.631,170.037 134.631,172.885 137.514,175.768 137.514,177.047 137.529,177.062 ; v2(135.255,140.462) 139.065,136.652 139.065,133.157 ; 135.382,105.471 133.482,103.571 133.35,103.571 135.89,101.031 v2(135.89,99.568) ; 136.398,127.762 136.398,131.257 ; 136.66,154.857 136.66,152.646 138.557,150.749 v2(138.684,150.749) ; 136.66,170.008 136.66,172.689 139.529,175.558 139.529,177.062 ; 137.414,103.571 138.115,103.571 v2(140.716,106.172) ; v2(137.541,140.843) 141.986,136.398 141.986,133.157 ; 137.66,154.857 137.66,152.535 138.43,151.765 v2(138.938,151.765) ; 138.16,154.857 138.16,153.178 v2(138.557,152.781) ; 138.66,154.857 138.66,153.404 v2(138.663,153.401) ; 139.16,154.857 139.16,152.246 139.954,151.452 v2(139.954,151.384) ; v2(139.319,158.496) 140.882,156.933 144.735,156.933 147.613,156.933 147.828,156.718 v2(147.828,155.956) ; v2(140.589,144.907) 140.573,144.891 128.667,144.891 126.492,147.066 126.492,156.64 126.785,156.933 ; v2(141.351,148.844) 141.539,149.032 143.129,149.032 145.288,149.032 151.892,155.636 151.892,159.131 ; 144.735,167.433 146.638,167.433 147.193,166.878 v2(147.193,166.37) ; 144.735,167.933 147.281,167.933 v2(148.209,167.005) ; 144.735,168.433 147.097,168.433 v2(147.32,168.656) ; v2(145.034,96.266) 145.034,96.84 146.177,97.983 ; 146.177,103.439 146.177,104.013 v2(147.447,105.283) ; 147.447,149.032 149.706,149.032 151.872,151.198 ; 148.209,97.983 148.209,96.52 v2(148.463,96.266) ; 148.209,103.439 149.032,103.439 v2(150.114,104.521) ; 149.987,97.983 151.505,97.983 152.587,96.901 v2(152.654,96.901) ; v2(152.146,92.075) 159.639,92.075 164.211,87.503 ; 163.918,151.13 v2(165.354,151.13)